# Altium PCB [OSHW_01]_RES-DEC-PCB-v2.PcbDoc (continued)
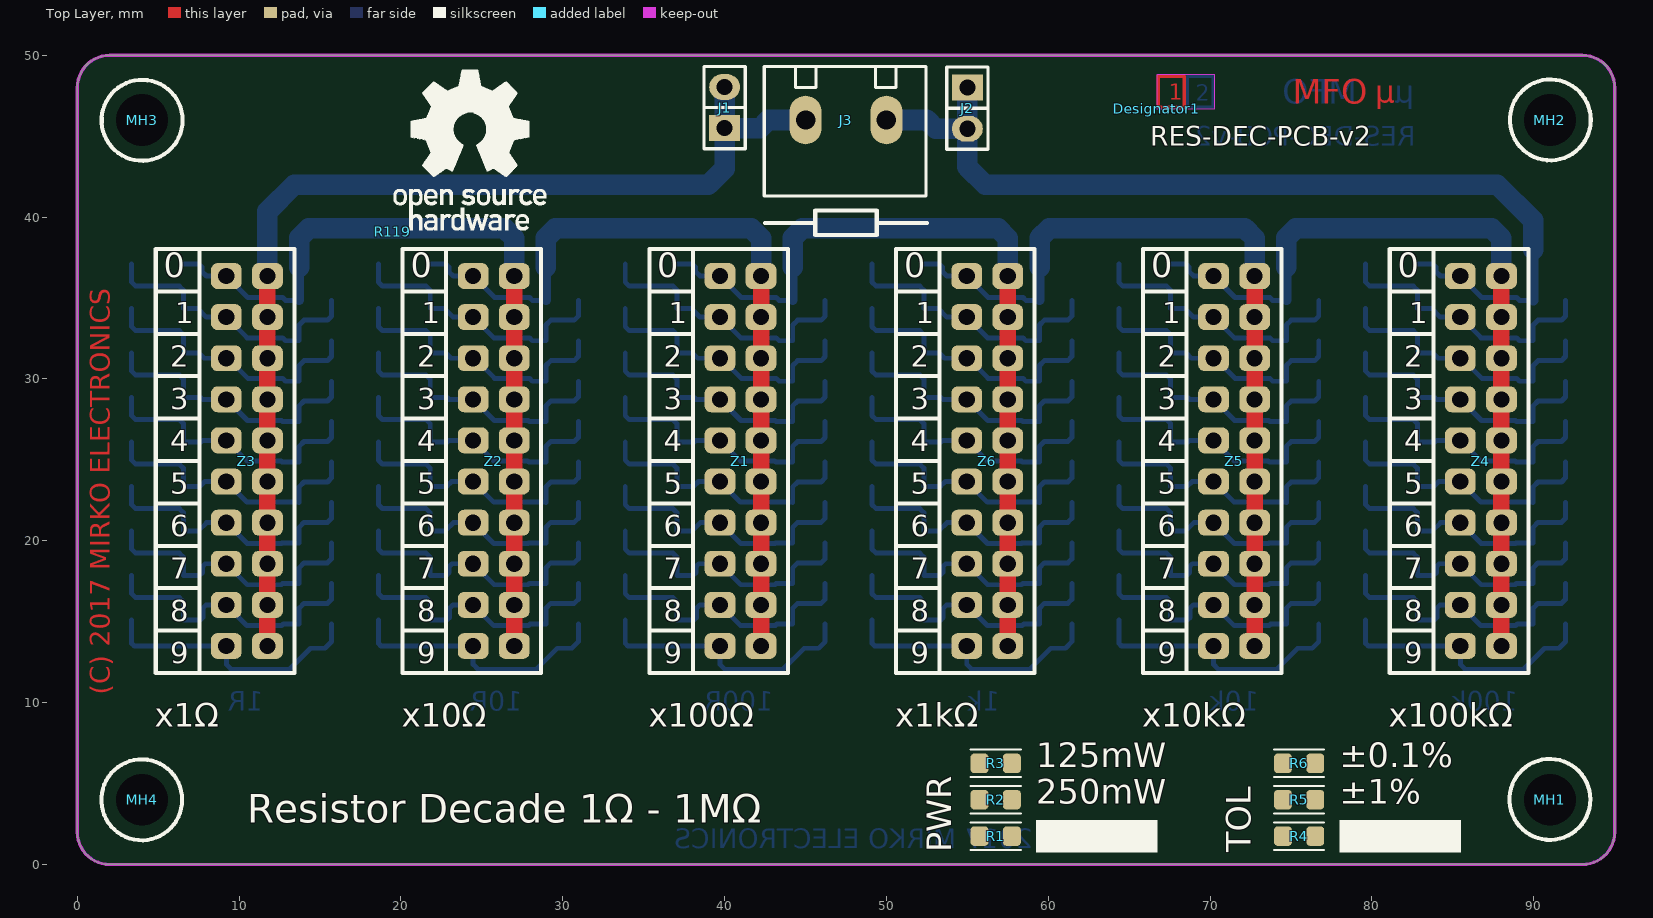
[diagram p0: Top Layer view]
## Nets (pads, with @x,y where several pads share a name; then routed paths per layer and width w, separated by ;. In a path a pad name is that pad's centre, name@x,y a point inside that pad or via, vN(x,y) a via of type N, cw(c..) or ccw(c..) an arc to the next point about the centre after c; other vN are vias at no path point)
NetJ1_1: J1.1 J1.2 J3.2 Z3.2 Z3.4 Z3.6 Z3.8 Z3.10 Z3.12 Z3.14 Z3.16 Z3.18 Z3.20 | length 66.4
  Top Layer w1.016: Z3.20 Z3.18 Z3.16 Z3.14 Z3.12 Z3.10 Z3.8 Z3.6 Z3.4 Z3.2
  Bottom Layer w1.27: Z3.2 11.75,40.35 13.4,42 39,42 40,43 J1.1 ; J1.2 J1.1 ; J3.2 42.7,46 42.2,45.5 J1.1
NetJ2_1: J2.1 J2.2 J3.1 RF1.2 RF'1.2 Z4.1 | length 59.6
  Bottom Layer w0.305: RF'1.2 83.76,37.11 83.96,36.91 83.96,36.635 84.235,36.36 Z4.1 86.785,35.035 88.94,35.035 89.115,34.86 RF1.2
  Bottom Layer w0.635: RF1.2 89.96,38
  Bottom Layer w1.27: J3.1 52.5,46 53.04,45.46 J2.2 ; J2.1 J2.2 ; 89.96,38 89.96,39.79 87.75,42 56.1,42 55,43.1 J2.2
NetRA1_1: RA1.1 RA2.2 RA'1.1 RA'2.2 Z3.3 | length 17.8
  Bottom Layer w0.305: RA'1.1 3.36,35.985 3.61,35.735 6.31,35.735 6.56,35.485 RA'2.2 7.435,34.36 7.975,33.82 Z3.3 10.495,32.535 12.69,32.535 12.865,32.36 RA2.2 13.71,33.335 14.01,33.635 15.46,33.635 15.71,33.885 RA1.1
NetRA1_2: RA1.2 RA'1.2 Z2.2 Z2.4 Z2.6 Z2.8 Z2.10 Z2.12 Z2.14 Z2.16 Z2.18 Z2.20 Z3.1 | length 51.1
  Top Layer w1.016: Z2.20 Z2.18 Z2.16 Z2.14 Z2.12 Z2.10 Z2.8 Z2.6 Z2.4 Z2.2
  Bottom Layer w0.305: RA'1.2 7.51,37.11 7.71,36.91 7.71,36.635 7.985,36.36 Z3.1 10.535,35.035 12.69,35.035 12.865,34.86 RA1.2
  Bottom Layer w0.61: RA1.2 13.71,36.89
  Bottom Layer w1.27: 13.71,36.89 13.71,38.71 14.3,39.3 26.4,39.3 27,38.7 Z2.2
NetRA2_1: RA2.1 RA3.2 RA'2.1 RA'3.2 Z3.5 | length 17.6
  Bottom Layer w0.305: RA'2.1 3.36,33.235 3.61,32.985 6.31,32.985 6.56,32.735 RA'3.2 7.51,31.61 7.84,31.28 Z3.5 ; Z3.5@9.29,31.28 10.535,30.035 12.69,30.035 12.865,29.86 RA3.2 13.71,30.835 14.01,31.135 15.46,31.135 15.71,31.385 RA2.1
NetRA3_1: RA3.1 RA4.2 RA'3.1 RA'4.2 Z3.7 | length 17.6
  Bottom Layer w0.305: RA'3.1 3.36,30.485 3.61,30.235 6.31,30.235 6.56,29.985 RA'4.2 7.61,28.86 7.73,28.74 Z3.7 10.515,27.435 12.61,27.435 12.685,27.36 RA4.2 13.71,28.335 14.01,28.635 15.46,28.635 15.71,28.885 RA3.1
NetRA4_1: RA4.1 RA5.2 RA'4.1 RA'5.2 Z3.9 | length 17.6
  Bottom Layer w0.305: RA'4.1 3.36,27.735 3.61,27.485 6.31,27.485 6.56,27.235 RA'5.2 7.635,26.11 7.725,26.2 Z3.9 10.475,24.935 12.585,24.935 12.66,24.86 RA5.2 13.71,25.835 14.01,26.135 15.46,26.135 15.71,26.385 RA4.1
NetRA5_1: RA5.1 RA6.2 RA'5.1 RA'6.2 Z3.11 | length 17.6
  Bottom Layer w0.305: RA'5.1 3.36,24.985 3.61,24.735 6.31,24.735 6.56,24.485 RA'6.2 7.585,23.36 7.885,23.66 Z3.11 10.485,22.385 RA6.2@13.685,22.385 ; RA6.2 13.71,23.335 14.01,23.635 15.46,23.635 15.71,23.885 RA5.1
NetRA6_1: RA6.1 RA7.2 RA'6.1 RA'7.2 Z3.13 | length 17.7
  Bottom Layer w0.305: RA'6.1 3.36,22.235 3.61,21.985 6.31,21.985 6.56,21.735 RA'7.2 7.485,20.61 7.995,21.12 Z3.13 10.495,19.835 12.61,19.835 12.635,19.86 RA7.2 13.71,20.835 14.01,21.135 15.46,21.135 15.71,21.385 RA6.1
NetRA7_1: RA7.1 RA8.2 RA'7.1 RA'8.2 Z3.15 | length 18.1
  Bottom Layer w0.305: RA'7.1 3.36,19.485 3.61,19.235 6.31,19.235 6.56,18.985 RA'8.2 7.56,17.86 7.735,18.035 7.735,18.41 7.905,18.58 Z3.15 10.505,17.285 12.61,17.285 12.685,17.36 RA8.2 13.71,18.335 14.01,18.635 15.46,18.635 15.71,18.885 RA7.1
NetRA8_1: RA8.1 RA9.2 RA'8.1 RA'9.2 Z3.17 | length 18.3
  Bottom Layer w0.305: RA'8.1 3.36,16.735 3.61,16.485 6.31,16.485 6.56,16.235 RA'9.2 7.61,15.11 7.76,15.26 7.76,15.835 7.965,16.04 Z3.17 10.49,14.76 12.635,14.76 12.735,14.86 RA9.2 13.71,15.835 14.01,16.135 15.46,16.135 15.71,16.385 RA8.1
NetRA9_1: RA9.1 RA'9.1 Z3.19 | length 16.9
  Bottom Layer w0.305: RA'9.1 3.36,13.66 3.52,13.5 Z3.19 9.21,12.36 9.51,12.06 13.11,12.06 14.41,13.36 15.31,13.36 15.71,13.76 RA9.1
NetRB1_1: RB1.1 RB2.2 RB'1.1 RB'2.2 Z2.3 | length 17.8
  Bottom Layer w0.305: RB'1.1 18.61,35.985 18.86,35.735 21.56,35.735 21.81,35.485 RB'2.2 22.685,34.36 23.225,33.82 Z2.3 25.745,32.535 27.94,32.535 28.115,32.36 RB2.2 28.96,33.335 29.26,33.635 30.71,33.635 30.96,33.885 RB1.1
NetRB1_2: RB1.2 RB'1.2 Z1.2 Z1.4 Z1.6 Z1.8 Z1.10 Z1.12 Z1.14 Z1.16 Z1.18 Z1.20 Z2.1 | length 51.1
  Top Layer w1.016: Z1.20 Z1.18 Z1.16 Z1.14 Z1.12 Z1.10 Z1.8 Z1.6 Z1.4 Z1.2
  Bottom Layer w0.305: RB'1.2 22.76,37.11 22.96,36.91 22.96,36.635 23.235,36.36 Z2.1 25.785,35.035 27.94,35.035 28.115,34.86 RB1.2
  Bottom Layer w0.61: RB1.2 28.96,36.89
  Bottom Layer w1.27: 28.96,36.89 28.96,38.71 29.55,39.3 41.65,39.3 42.25,38.7 Z1.2
NetRB2_1: RB2.1 RB3.2 RB'2.1 RB'3.2 Z2.5 | length 17.6
  Bottom Layer w0.305: RB'2.1 18.61,33.235 18.86,32.985 21.56,32.985 21.81,32.735 RB'3.2 22.76,31.61 23.09,31.28 Z2.5 ; Z2.5@24.54,31.28 25.785,30.035 27.94,30.035 28.115,29.86 RB3.2 28.96,30.835 29.26,31.135 30.71,31.135 30.96,31.385 RB2.1
NetRB3_1: RB3.1 RB4.2 RB'3.1 RB'4.2 Z2.7 | length 17.6
  Bottom Layer w0.305: RB'3.1 18.61,30.485 18.86,30.235 21.56,30.235 21.81,29.985 RB'4.2 22.86,28.86 22.98,28.74 Z2.7 25.765,27.435 27.86,27.435 27.935,27.36 RB4.2 28.96,28.335 29.26,28.635 30.71,28.635 30.96,28.885 RB3.1
NetRB4_1: RB4.1 RB5.2 RB'4.1 RB'5.2 Z2.9 | length 17.6
  Bottom Layer w0.305: RB'4.1 18.61,27.735 18.86,27.485 21.56,27.485 21.81,27.235 RB'5.2 22.885,26.11 22.975,26.2 Z2.9 25.725,24.935 27.835,24.935 27.91,24.86 RB5.2 28.96,25.835 29.26,26.135 30.71,26.135 30.96,26.385 RB4.1
NetRB5_1: RB5.1 RB6.2 RB'5.1 RB'6.2 Z2.11 | length 17.6
  Bottom Layer w0.305: RB'5.1 18.61,24.985 18.86,24.735 21.56,24.735 21.81,24.485 RB'6.2 22.835,23.36 23.135,23.66 Z2.11 25.735,22.385 RB6.2@28.935,22.385 ; RB6.2 28.96,23.335 29.26,23.635 30.71,23.635 30.96,23.885 RB5.1
NetRB6_1: RB6.1 RB7.2 RB'6.1 RB'7.2 Z2.13 | length 17.7
  Bottom Layer w0.305: RB'6.1 18.61,22.235 18.86,21.985 21.56,21.985 21.81,21.735 RB'7.2 22.735,20.61 23.245,21.12 Z2.13 25.745,19.835 27.86,19.835 27.885,19.86 RB7.2 28.96,20.835 29.26,21.135 30.71,21.135 30.96,21.385 RB6.1
NetRB7_1: RB7.1 RB8.2 RB'7.1 RB'8.2 Z2.15 | length 18.1
  Bottom Layer w0.305: RB'7.1 18.61,19.485 18.86,19.235 21.56,19.235 21.81,18.985 RB'8.2 22.81,17.86 22.985,18.035 22.985,18.41 23.155,18.58 Z2.15 25.755,17.285 27.86,17.285 27.935,17.36 RB8.2 28.96,18.335 29.26,18.635 30.71,18.635 30.96,18.885 RB7.1
NetRB8_1: RB8.1 RB9.2 RB'8.1 RB'9.2 Z2.17 | length 18.3
  Bottom Layer w0.305: RB'8.1 18.61,16.735 18.86,16.485 21.56,16.485 21.81,16.235 RB'9.2 22.86,15.11 23.01,15.26 23.01,15.835 23.215,16.04 Z2.17 25.74,14.76 27.885,14.76 27.985,14.86 RB9.2 28.96,15.835 29.26,16.135 30.71,16.135 30.96,16.385 RB8.1
NetRB9_1: RB9.1 RB'9.1 Z2.19 | length 16.9
  Bottom Layer w0.305: RB'9.1 18.61,13.66 18.77,13.5 Z2.19 24.46,12.36 24.76,12.06 28.36,12.06 29.66,13.36 30.56,13.36 30.96,13.76 RB9.1
NetRC1_1: RC1.1 RC2.2 RC'1.1 RC'2.2 Z1.3 | length 17.8
  Bottom Layer w0.305: RC'1.1 33.86,35.985 34.11,35.735 36.81,35.735 37.06,35.485 RC'2.2 37.935,34.36 38.475,33.82 Z1.3 40.995,32.535 43.19,32.535 43.365,32.36 RC2.2 44.21,33.335 44.51,33.635 45.96,33.635 46.21,33.885 RC1.1
NetRC1_2: RC1.2 RC'1.2 Z1.1 Z6.2 Z6.4 Z6.6 Z6.8 Z6.10 Z6.12 Z6.14 Z6.16 Z6.18 Z6.20 | length 51.1
  Top Layer w1.016: Z6.20 Z6.18 Z6.16 Z6.14 Z6.12 Z6.10 Z6.8 Z6.6 Z6.4 Z6.2
  Bottom Layer w0.305: RC'1.2 38.01,37.11 38.21,36.91 38.21,36.635 38.485,36.36 Z1.1 41.035,35.035 43.19,35.035 43.365,34.86 RC1.2
  Bottom Layer w0.61: RC1.2 44.21,36.89
  Bottom Layer w1.27: 44.21,36.89 44.21,38.71 44.8,39.3 56.9,39.3 57.5,38.7 Z6.2
NetRC2_1: RC2.1 RC3.2 RC'2.1 RC'3.2 Z1.5 | length 17.6
  Bottom Layer w0.305: RC'2.1 33.86,33.235 34.11,32.985 36.81,32.985 37.06,32.735 RC'3.2 38.01,31.61 38.34,31.28 Z1.5 ; Z1.5@39.79,31.28 41.035,30.035 43.19,30.035 43.365,29.86 RC3.2 44.21,30.835 44.51,31.135 45.96,31.135 46.21,31.385 RC2.1
NetRC3_1: RC3.1 RC4.2 RC'3.1 RC'4.2 Z1.7 | length 17.6
  Bottom Layer w0.305: RC'3.1 33.86,30.485 34.11,30.235 36.81,30.235 37.06,29.985 RC'4.2 38.11,28.86 38.23,28.74 Z1.7 41.015,27.435 43.11,27.435 43.185,27.36 RC4.2 44.21,28.335 44.51,28.635 45.96,28.635 46.21,28.885 RC3.1
NetRC4_1: RC4.1 RC5.2 RC'4.1 RC'5.2 Z1.9 | length 17.6
  Bottom Layer w0.305: RC'4.1 33.86,27.735 34.11,27.485 36.81,27.485 37.06,27.235 RC'5.2 38.135,26.11 38.225,26.2 Z1.9 40.975,24.935 43.085,24.935 43.16,24.86 RC5.2 44.21,25.835 44.51,26.135 45.96,26.135 46.21,26.385 RC4.1
NetRC5_1: RC5.1 RC6.2 RC'5.1 RC'6.2 Z1.11 | length 17.6
  Bottom Layer w0.305: RC'5.1 33.86,24.985 34.11,24.735 36.81,24.735 37.06,24.485 RC'6.2 38.085,23.36 38.385,23.66 Z1.11 40.985,22.385 RC6.2@44.185,22.385 ; RC6.2 44.21,23.335 44.51,23.635 45.96,23.635 46.21,23.885 RC5.1
NetRC6_1: RC6.1 RC7.2 RC'6.1 RC'7.2 Z1.13 | length 17.7
  Bottom Layer w0.305: RC'6.1 33.86,22.235 34.11,21.985 36.81,21.985 37.06,21.735 RC'7.2 37.985,20.61 38.495,21.12 Z1.13 40.995,19.835 43.11,19.835 43.135,19.86 RC7.2 44.21,20.835 44.51,21.135 45.96,21.135 46.21,21.385 RC6.1
NetRC7_1: RC7.1 RC8.2 RC'7.1 RC'8.2 Z1.15 | length 18.1
  Bottom Layer w0.305: RC'7.1 33.86,19.485 34.11,19.235 36.81,19.235 37.06,18.985 RC'8.2 38.06,17.86 38.235,18.035 38.235,18.41 38.405,18.58 Z1.15 41.005,17.285 43.11,17.285 43.185,17.36 RC8.2 44.21,18.335 44.51,18.635 45.96,18.635 46.21,18.885 RC7.1
NetRC8_1: RC8.1 RC9.2 RC'8.1 RC'9.2 Z1.17 | length 18.3
  Bottom Layer w0.305: RC'8.1 33.86,16.735 34.11,16.485 36.81,16.485 37.06,16.235 RC'9.2 38.11,15.11 38.26,15.26 38.26,15.835 38.465,16.04 Z1.17 40.99,14.76 43.135,14.76 43.235,14.86 RC9.2 44.21,15.835 44.51,16.135 45.96,16.135 46.21,16.385 RC8.1
NetRC9_1: RC9.1 RC'9.1 Z1.19 | length 16.9
  Bottom Layer w0.305: RC'9.1 33.86,13.66 34.02,13.5 Z1.19 39.71,12.36 40.01,12.06 43.61,12.06 44.91,13.36 45.81,13.36 46.21,13.76 RC9.1
NetRD1_1: RD1.1 RD2.2 RD'1.1 RD'2.2 Z6.3 | length 17.8
  Bottom Layer w0.305: RD'1.1 49.11,35.985 49.36,35.735 52.06,35.735 52.31,35.485 RD'2.2 53.185,34.36 53.725,33.82 Z6.3 56.245,32.535 58.44,32.535 58.615,32.36 RD2.2 59.46,33.335 59.76,33.635 61.21,33.635 61.46,33.885 RD1.1
NetRD1_2: RD1.2 RD'1.2 Z5.2 Z5.4 Z5.6 Z5.8 Z5.10 Z5.12 Z5.14 Z5.16 Z5.18 Z5.20 Z6.1 | length 51.1
  Top Layer w1.016: Z5.20 Z5.18 Z5.16 Z5.14 Z5.12 Z5.10 Z5.8 Z5.6 Z5.4 Z5.2
  Bottom Layer w0.305: RD'1.2 53.26,37.11 53.46,36.91 53.46,36.635 53.735,36.36 Z6.1 56.285,35.035 58.44,35.035 58.615,34.86 RD1.2
  Bottom Layer w0.61: RD1.2 59.46,36.89
  Bottom Layer w1.27: 59.46,36.89 59.46,38.71 60.05,39.3 72.15,39.3 72.75,38.7 Z5.2
NetRD2_1: RD2.1 RD3.2 RD'2.1 RD'3.2 Z6.5 | length 17.6
  Bottom Layer w0.305: RD'2.1 49.11,33.235 49.36,32.985 52.06,32.985 52.31,32.735 RD'3.2 53.26,31.61 53.59,31.28 Z6.5 ; Z6.5@55.04,31.28 56.285,30.035 58.44,30.035 58.615,29.86 RD3.2 59.46,30.835 59.76,31.135 61.21,31.135 61.46,31.385 RD2.1
NetRD3_1: RD3.1 RD4.2 RD'3.1 RD'4.2 Z6.7 | length 17.6
  Bottom Layer w0.305: RD'3.1 49.11,30.485 49.36,30.235 52.06,30.235 52.31,29.985 RD'4.2 53.36,28.86 53.48,28.74 Z6.7 56.265,27.435 58.36,27.435 58.435,27.36 RD4.2 59.46,28.335 59.76,28.635 61.21,28.635 61.46,28.885 RD3.1
NetRD4_1: RD4.1 RD5.2 RD'4.1 RD'5.2 Z6.9 | length 17.6
  Bottom Layer w0.305: RD'4.1 49.11,27.735 49.36,27.485 52.06,27.485 52.31,27.235 RD'5.2 53.385,26.11 53.475,26.2 Z6.9 56.225,24.935 58.335,24.935 58.41,24.86 RD5.2 59.46,25.835 59.76,26.135 61.21,26.135 61.46,26.385 RD4.1
NetRD5_1: RD5.1 RD6.2 RD'5.1 RD'6.2 Z6.11 | length 17.6
  Bottom Layer w0.305: RD'5.1 49.11,24.985 49.36,24.735 52.06,24.735 52.31,24.485 RD'6.2 53.335,23.36 53.635,23.66 Z6.11 56.235,22.385 RD6.2@59.435,22.385 ; RD6.2 59.46,23.335 59.76,23.635 61.21,23.635 61.46,23.885 RD5.1
NetRD6_1: RD6.1 RD7.2 RD'6.1 RD'7.2 Z6.13 | length 17.7
  Bottom Layer w0.305: RD'6.1 49.11,22.235 49.36,21.985 52.06,21.985 52.31,21.735 RD'7.2 53.235,20.61 53.745,21.12 Z6.13 56.245,19.835 58.36,19.835 58.385,19.86 RD7.2 59.46,20.835 59.76,21.135 61.21,21.135 61.46,21.385 RD6.1
NetRD7_1: RD7.1 RD8.2 RD'7.1 RD'8.2 Z6.15 | length 18.1
  Bottom Layer w0.305: RD'7.1 49.11,19.485 49.36,19.235 52.06,19.235 52.31,18.985 RD'8.2 53.31,17.86 53.485,18.035 53.485,18.41 53.655,18.58 Z6.15 56.255,17.285 58.36,17.285 58.435,17.36 RD8.2 59.46,18.335 59.76,18.635 61.21,18.635 61.46,18.885 RD7.1
NetRD8_1: RD8.1 RD9.2 RD'8.1 RD'9.2 Z6.17 | length 18.3
  Bottom Layer w0.305: RD'8.1 49.11,16.735 49.36,16.485 52.06,16.485 52.31,16.235 RD'9.2 53.36,15.11 53.51,15.26 53.51,15.835 53.715,16.04 Z6.17 56.24,14.76 58.385,14.76 58.485,14.86 RD9.2 59.46,15.835 59.76,16.135 61.21,16.135 61.46,16.385 RD8.1
NetRD9_1: RD9.1 RD'9.1 Z6.19 | length 16.9
  Bottom Layer w0.305: RD'9.1 49.11,13.66 49.27,13.5 Z6.19 54.96,12.36 55.26,12.06 58.86,12.06 60.16,13.36 61.06,13.36 61.46,13.76 RD9.1
NetRE1_1: RE1.1 RE2.2 RE'1.1 RE'2.2 Z5.3 | length 17.8
  Bottom Layer w0.305: RE'1.1 64.36,35.985 64.61,35.735 67.31,35.735 67.56,35.485 RE'2.2 68.435,34.36 68.975,33.82 Z5.3 71.495,32.535 73.69,32.535 73.865,32.36 RE2.2 74.71,33.335 75.01,33.635 76.46,33.635 76.71,33.885 RE1.1
NetRE1_2: RE1.2 RE'1.2 Z4.2 Z4.4 Z4.6 Z4.8 Z4.10 Z4.12 Z4.14 Z4.16 Z4.18 Z4.20 Z5.1 | length 51.1
  Top Layer w1.016: Z4.20 Z4.18 Z4.16 Z4.14 Z4.12 Z4.10 Z4.8 Z4.6 Z4.4 Z4.2
  Bottom Layer w0.305: RE'1.2 68.51,37.11 68.71,36.91 68.71,36.635 68.985,36.36 Z5.1 71.535,35.035 73.69,35.035 73.865,34.86 RE1.2
  Bottom Layer w0.61: RE1.2 74.71,36.89
  Bottom Layer w1.27: 74.71,36.89 74.71,38.71 75.3,39.3 87.4,39.3 88,38.7 Z4.2
NetRE2_1: RE2.1 RE3.2 RE'2.1 RE'3.2 Z5.5 | length 17.6
  Bottom Layer w0.305: RE'2.1 64.36,33.235 64.61,32.985 67.31,32.985 67.56,32.735 RE'3.2 68.51,31.61 68.84,31.28 Z5.5 ; Z5.5@70.29,31.28 71.535,30.035 73.69,30.035 73.865,29.86 RE3.2 74.71,30.835 75.01,31.135 76.46,31.135 76.71,31.385 RE2.1
NetRE3_1: RE3.1 RE4.2 RE'3.1 RE'4.2 Z5.7 | length 17.6
  Bottom Layer w0.305: RE'3.1 64.36,30.485 64.61,30.235 67.31,30.235 67.56,29.985 RE'4.2 68.61,28.86 68.73,28.74 Z5.7 71.515,27.435 73.61,27.435 73.685,27.36 RE4.2 74.71,28.335 75.01,28.635 76.46,28.635 76.71,28.885 RE3.1
NetRE4_1: RE4.1 RE5.2 RE'4.1 RE'5.2 Z5.9 | length 17.6
  Bottom Layer w0.305: RE'4.1 64.36,27.735 64.61,27.485 67.31,27.485 67.56,27.235 RE'5.2 68.635,26.11 68.725,26.2 Z5.9 71.475,24.935 73.585,24.935 73.66,24.86 RE5.2 74.71,25.835 75.01,26.135 76.46,26.135 76.71,26.385 RE4.1
NetRE5_1: RE5.1 RE6.2 RE'5.1 RE'6.2 Z5.11 | length 17.6
  Bottom Layer w0.305: RE'5.1 64.36,24.985 64.61,24.735 67.31,24.735 67.56,24.485 RE'6.2 68.585,23.36 68.885,23.66 Z5.11 71.485,22.385 RE6.2@74.685,22.385 ; RE6.2 74.71,23.335 75.01,23.635 76.46,23.635 76.71,23.885 RE5.1
NetRE6_1: RE6.1 RE7.2 RE'6.1 RE'7.2 Z5.13 | length 17.7
  Bottom Layer w0.305: RE'6.1 64.36,22.235 64.61,21.985 67.31,21.985 67.56,21.735 RE'7.2 68.485,20.61 68.995,21.12 Z5.13 71.495,19.835 73.61,19.835 73.635,19.86 RE7.2 74.71,20.835 75.01,21.135 76.46,21.135 76.71,21.385 RE6.1
NetRE7_1: RE7.1 RE8.2 RE'7.1 RE'8.2 Z5.15 | length 18.1
  Bottom Layer w0.305: RE'7.1 64.36,19.485 64.61,19.235 67.31,19.235 67.56,18.985 RE'8.2 68.56,17.86 68.735,18.035 68.735,18.41 68.905,18.58 Z5.15 71.505,17.285 73.61,17.285 73.685,17.36 RE8.2 74.71,18.335 75.01,18.635 76.46,18.635 76.71,18.885 RE7.1
NetRE8_1: RE8.1 RE9.2 RE'8.1 RE'9.2 Z5.17 | length 18.3
  Bottom Layer w0.305: RE'8.1 64.36,16.735 64.61,16.485 67.31,16.485 67.56,16.235 RE'9.2 68.61,15.11 68.76,15.26 68.76,15.835 68.965,16.04 Z5.17 71.49,14.76 73.635,14.76 73.735,14.86 RE9.2 74.71,15.835 75.01,16.135 76.46,16.135 76.71,16.385 RE8.1
NetRE9_1: RE9.1 RE'9.1 Z5.19 | length 16.9
  Bottom Layer w0.305: RE'9.1 64.36,13.66 64.52,13.5 Z5.19 70.21,12.36 70.51,12.06 74.11,12.06 75.41,13.36 76.31,13.36 76.71,13.76 RE9.1
NetRF1_1: RF1.1 RF2.2 RF'1.1 RF'2.2 Z4.3 | length 17.8
  Bottom Layer w0.305: RF'1.1 79.61,35.985 79.86,35.735 82.56,35.735 82.81,35.485 RF'2.2 83.685,34.36 84.225,33.82 Z4.3 86.745,32.535 88.94,32.535 89.115,32.36 RF2.2 89.96,33.335 90.26,33.635 91.71,33.635 91.96,33.885 RF1.1
NetRF2_1: RF2.1 RF3.2 RF'2.1 RF'3.2 Z4.5 | length 17.7
  Bottom Layer w0.305: RF'2.1 79.61,33.235 79.86,32.985 82.56,32.985 82.81,32.735 RF'3.2 83.76,31.61 84.09,31.28 85.54,31.28 86.785,30.035 88.94,30.035 89.115,29.86 RF3.2 89.96,30.835 90.26,31.135 91.71,31.135 91.96,31.385 RF2.1
NetRF3_1: RF3.1 RF4.2 RF'3.1 RF'4.2 Z4.7 | length 17.6
  Bottom Layer w0.305: RF'3.1 79.61,30.485 79.86,30.235 82.56,30.235 82.81,29.985 RF'4.2 83.86,28.86 83.98,28.74 Z4.7 86.765,27.435 88.86,27.435 88.935,27.36 RF4.2 89.96,28.335 90.26,28.635 91.71,28.635 91.96,28.885 RF3.1
NetRF4_1: RF4.1 RF5.2 RF'4.1 RF'5.2 Z4.9 | length 17.6
  Bottom Layer w0.305: RF'4.1 79.61,27.735 79.86,27.485 82.56,27.485 82.81,27.235 RF'5.2 83.885,26.11 83.975,26.2 Z4.9 86.725,24.935 88.835,24.935 88.91,24.86 RF5.2 89.96,25.835 90.26,26.135 91.71,26.135 91.96,26.385 RF4.1
NetRF5_1: RF5.1 RF6.2 RF'5.1 RF'6.2 Z4.11 | length 17.6
  Bottom Layer w0.305: RF'5.1 79.61,24.985 79.86,24.735 82.56,24.735 82.81,24.485 RF'6.2 83.835,23.36 84.135,23.66 Z4.11 86.735,22.385 RF6.2@89.935,22.385 ; RF6.2 89.96,23.335 90.26,23.635 91.71,23.635 91.96,23.885 RF5.1
NetRF6_1: RF6.1 RF7.2 RF'6.1 RF'7.2 Z4.13 | length 17.7
  Bottom Layer w0.305: RF'6.1 79.61,22.235 79.86,21.985 82.56,21.985 82.81,21.735 RF'7.2 83.735,20.61 84.245,21.12 Z4.13 86.745,19.835 88.86,19.835 88.885,19.86 RF7.2 89.96,20.835 90.26,21.135 91.71,21.135 91.96,21.385 RF6.1
NetRF7_1: RF7.1 RF8.2 RF'7.1 RF'8.2 Z4.15 | length 18.1
  Bottom Layer w0.305: RF'7.1 79.61,19.485 79.86,19.235 82.56,19.235 82.81,18.985 RF'8.2 83.81,17.86 83.985,18.035 83.985,18.41 84.155,18.58 Z4.15 86.755,17.285 88.86,17.285 88.935,17.36 RF8.2 89.96,18.335 90.26,18.635 91.71,18.635 91.96,18.885 RF7.1
NetRF8_1: RF8.1 RF9.2 RF'8.1 RF'9.2 Z4.17 | length 18.3
  Bottom Layer w0.305: RF'8.1 79.61,16.735 79.86,16.485 82.56,16.485 82.81,16.235 RF'9.2 83.86,15.11 84.01,15.26 84.01,15.835 84.215,16.04 Z4.17 86.74,14.76 88.885,14.76 88.985,14.86 RF9.2 89.96,15.835 90.26,16.135 91.71,16.135 91.96,16.385 RF8.1
NetRF9_1: RF9.1 RF'9.1 Z4.19 | length 16.9
  Bottom Layer w0.305: RF'9.1 79.61,13.66 79.77,13.5 Z4.19 85.46,12.36 85.76,12.06 89.36,12.06 90.66,13.36 91.56,13.36 91.96,13.76 RF9.1
pads on no net: Designator2.0 Designator3.0 Designator6.0 MH1.0 MH2.0 MH3.0 MH4.0 R1.1 R1.2 R2.1 R2.2 R3.1 R3.2 R4.1 R4.2 R5.1 R5.2 R6.1 R6.2

## Keep-outs
Keep-Out Layer:
  the board outline again, w0.2

## Other copper
Top Layer:
  text "MFO" at 75.1,47 h1.5
  text "µ" at 80.2,46.6 h2.4
  text "(C) 2017 MIRKO ELECTRONICS" at 2,10.5 h1.2 r90
Bottom Layer:
  text "MFO" at 79.1,47 h1.5
  text "µ" at 82.6,46.6 h2.4
  text "RES-DEC-PCB-v2" at 82.7,44.4 h1.2
  text "1R" at 11.5,9.5 h1.2
  text "10R" at 27.5,9.5 h1.2
  text "100R" at 43,9.5 h1.2
  text "1k" at 57,9.5 h1.2
  text "10k" at 73,9.5 h1.2
  text "100k" at 89,9.5 h1.2
  text "(C) 2017 MIRKO ELECTRONICS" at 62,1 h1.2

## Silkscreen, mask and mechanical layers (free items; w line width, h text height)
Top Overlay:
  rectangle: 78,0.75 85.5,2.75
  rectangle: 59.25,0.75 66.75,2.75
  lines w0.25: 7.54,11.83 4.85,11.83 4.85,14.45 ; 7.54,14.45 4.85,14.45 ; 7.54,17.07 4.85,17.07 ; 7.54,19.69 4.85,19.69 ; 7.54,22.31 4.85,22.31 ; 7.54,24.93 4.85,24.93 ; 7.54,27.55 4.85,27.55 ; 7.54,30.17 4.85,30.17 ; 7.54,32.79 4.85,32.79 ; 7.54,35.41 4.85,35.41 ; 7.54,38.03 4.85,38.03 4.85,35.41 ; 22.79,11.83 20.1,11.83 20.1,14.45 ; 22.79,14.45 20.1,14.45 ; 22.79,17.07 20.1,17.07 ; 22.79,19.69 20.1,19.69 ; 22.79,22.31 20.1,22.31 ; 22.79,24.93 20.1,24.93 ; 22.79,27.55 20.1,27.55 ; 22.79,30.17 20.1,30.17 ; 22.79,32.79 20.1,32.79 ; 22.79,35.41 20.1,35.41 ; 22.79,38.03 20.1,38.03 20.1,35.41 ; 38.04,11.83 35.35,11.83 35.35,14.45 ; 38.04,14.45 35.35,14.45 ; 38.04,17.07 35.35,17.07 ; 38.04,19.69 35.35,19.69 ; 38.04,22.31 35.35,22.31 ; 38.04,24.93 35.35,24.93 ; 38.04,27.55 35.35,27.55 ; 38.04,30.17 35.35,30.17 ; 38.04,32.79 35.35,32.79 ; 38.04,35.41 35.35,35.41 ; 38.04,38.03 35.35,38.03 35.35,35.41 ; 42.5,39.65 45.6,39.65 ; 49.4,39.65 52.5,39.65 ; 53.29,11.83 50.6,11.83 50.6,14.45 ; 53.29,14.45 50.6,14.45 ; 53.29,17.07 50.6,17.07 ; 53.29,19.69 50.6,19.69 ; 53.29,22.31 50.6,22.31 ; 53.29,24.93 50.6,24.93 ; 53.29,27.55 50.6,27.55 ; 53.29,30.17 50.6,30.17 ; 53.29,32.79 50.6,32.79 ; 53.29,35.41 50.6,35.41 ; 53.29,38.03 50.6,38.03 50.6,35.41 ; 68.54,11.83 65.85,11.83 65.85,14.45 ; 68.54,14.45 65.85,14.45 ; 68.54,17.07 65.85,17.07 ; 68.54,19.69 65.85,19.69 ; 68.54,22.31 65.85,22.31 ; 68.54,24.93 65.85,24.93 ; 68.54,27.55 65.85,27.55 ; 68.54,30.17 65.85,30.17 ; 68.54,32.79 65.85,32.79 ; 68.54,35.41 65.85,35.41 ; 68.54,38.03 65.85,38.03 65.85,35.41 ; 83.79,11.83 81.1,11.83 81.1,14.45 ; 83.79,14.45 81.1,14.45 ; 83.79,17.07 81.1,17.07 ; 83.79,19.69 81.1,19.69 ; 83.79,22.31 81.1,22.31 ; 83.79,24.93 81.1,24.93 ; 83.79,27.55 81.1,27.55 ; 83.79,30.17 81.1,30.17 ; 83.79,32.79 81.1,32.79 ; 83.79,35.41 81.1,35.41 ; 83.79,38.03 81.1,38.03 81.1,35.41 ; 4.85,14.45 4.85,17.07 ; 4.85,17.07 4.85,19.69 ; 4.85,19.69 4.85,22.31 ; 4.85,22.31 4.85,24.93 ; 4.85,24.93 4.85,27.55 ; 4.85,27.55 4.85,30.17 ; 4.85,30.17 4.85,32.79 ; 4.85,32.79 4.85,35.41 ; 20.1,14.45 20.1,17.07 ; 20.1,17.07 20.1,19.69 ; 20.1,19.69 20.1,22.31 ; 20.1,22.31 20.1,24.93 ; 20.1,24.93 20.1,27.55 ; 20.1,27.55 20.1,30.17 ; 20.1,30.17 20.1,32.79 ; 20.1,32.79 20.1,35.41 ; 35.35,14.45 35.35,17.07 ; 35.35,17.07 35.35,19.69 ; 35.35,19.69 35.35,22.31 ; 35.35,22.31 35.35,24.93 ; 35.35,24.93 35.35,27.55 ; 35.35,27.55 35.35,30.17 ; 35.35,30.17 35.35,32.79 ; 35.35,32.79 35.35,35.41 ; 50.6,14.45 50.6,17.07 ; 50.6,17.07 50.6,19.69 ; 50.6,19.69 50.6,22.31 ; 50.6,22.31 50.6,24.93 ; 50.6,24.93 50.6,27.55 ; 50.6,27.55 50.6,30.17 ; 50.6,30.17 50.6,32.79 ; 50.6,32.79 50.6,35.41 ; 65.85,14.45 65.85,17.07 ; 65.85,17.07 65.85,19.69 ; 65.85,19.69 65.85,22.31 ; 65.85,22.31 65.85,24.93 ; 65.85,24.93 65.85,27.55 ; 65.85,27.55 65.85,30.17 ; 65.85,30.17 65.85,32.79 ; 65.85,32.79 65.85,35.41 ; 81.1,14.45 81.1,17.07 ; 81.1,17.07 81.1,19.69 ; 81.1,19.69 81.1,22.31 ; 81.1,22.31 81.1,24.93 ; 81.1,24.93 81.1,27.55 ; 81.1,27.55 81.1,30.17 ; 81.1,30.17 81.1,32.79 ; 81.1,32.79 81.1,35.41 ; 45.6,38.9 45.6,40.4 49.4,40.4 49.4,38.9 45.6,38.9
  text "RES-DEC-PCB-v2" at 66.3,44.4 h1.2
  text "0" at 5.35,35.78 h2.6
  text "0" at 20.6,35.78 h2.6
  text "0" at 35.85,35.78 h2.6
  text "0" at 51.1,35.78 h2.6
  text "0" at 66.35,35.78 h2.6
  text "0" at 81.6,35.78 h2.6
  text "1" at 6.05,33.44 h1.3
  text "1" at 21.3,33.44 h1.3
  text "1" at 36.55,33.44 h1.3
  text "1" at 51.8,33.44 h1.3
  text "1" at 67.05,33.44 h1.3
  text "1" at 82.3,33.44 h1.3
  text "2" at 5.75,30.76 h1.3
  text "2" at 21,30.76 h1.3
  text "2" at 36.25,30.76 h1.3
  text "2" at 51.5,30.76 h1.3
  text "2" at 66.75,30.76 h1.3
  text "2" at 82,30.76 h1.3
  text "3" at 5.75,28.14 h1.3
  text "3" at 21,28.14 h1.3
  text "3" at 36.25,28.14 h1.3
  text "3" at 51.5,28.14 h1.3
  text "3" at 66.75,28.14 h1.3
  text "3" at 82,28.14 h1.3
  text "4" at 5.75,25.52 h1.3
  text "4" at 21,25.52 h1.3
  text "4" at 36.25,25.52 h1.3
  text "4" at 51.5,25.52 h1.3
  text "4" at 66.75,25.52 h1.3
  text "4" at 82,25.52 h1.3
  text "5" at 5.75,22.9 h1.3
  text "5" at 21,22.9 h1.3
  text "5" at 36.25,22.9 h1.3
  text "5" at 51.5,22.9 h1.3
  text "5" at 66.75,22.9 h1.3
  text "5" at 82,22.9 h1.3
  text "6" at 5.75,20.28 h1.3
  text "6" at 21,20.28 h1.3
  text "6" at 36.25,20.28 h1.3
  text "6" at 51.5,20.28 h1.3
  text "6" at 66.75,20.28 h1.3
  text "6" at 82,20.28 h1.3
  text "7" at 5.75,17.66 h1.3
  text "7" at 21,17.66 h1.3
  text "7" at 36.25,17.66 h1.3
  text "7" at 51.5,17.66 h1.3
  text "7" at 66.75,17.66 h1.3
  text "7" at 82,17.66 h1.3
  text "8" at 5.75,15.04 h1.3
  text "8" at 21,15.04 h1.3
  text "8" at 36.25,15.04 h1.3
  text "8" at 51.5,15.04 h1.3
  text "8" at 66.75,15.04 h1.3
  text "8" at 82,15.04 h1.3
  text "9" at 5.75,12.42 h1.3
  text "9" at 21,12.42 h1.3
  text "9" at 36.25,12.42 h1.3
  text "9" at 51.5,12.42 h1.3
  text "9" at 66.75,12.42 h1.3
  text "9" at 82,12.42 h1.3
  text "x1Ω" at 4.8,8 h2.5
  text "x10Ω" at 20.05,8 h2.5
  text "x100Ω" at 35.3,8 h2.5
  text "x1kΩ" at 50.55,8 h2.5
  text "x10kΩ" at 65.8,8 h2.5
  text "x100kΩ" at 81.05,8 h2.5
  text "125mW" at 59.25,5.5 h2.6
  text "±0.1%" at 78,5.5 h2.6
  text "250mW" at 59.25,3.25 h2.6
  text "±1%" at 78,3.25 h2.6
  text "Resistor Decade 1Ω - 1MΩ" at 10.5,2 h3
  text "PWR" at 54.5,0.75 h2.6 r90
  text "TOL" at 73,0.75 h2.6 r90
Bottom Overlay:
  lines w0.25: 6.4,41 4.8,41 ; 4.8,41 5.4,41.6 5.4,40.4 4.8,41
  text "BAD" at 11.25,41.4 h1.2
  text "MARK" at 11.75,39.4 h1.2
Bottom Paste:
  lines w0.2: -10,-10 -10,60 105,60 105,-10 -10,-10
M02 PanelOutline:
  the board outline again, w0.2

## Dimensions
105,-10 to 105,60 on Bottom Paste
-10,-10 to 105,-10 on Bottom Paste
0,2 to 95,2 on M03 V-Cut
93,0 to 93,50 on M03 V-Cut

## Text inside footprints (layer, text, board x,y; h text height)
Designator1: Bottom Layer "2" at 69.1,47.2 h1; Top Layer "1" at 67.435,47.24 h1